# Allegro board RK_TABLET_DEMO1_RK3576_LP4XD200P132SD6_V12_20240530YWQ.brd (continued)
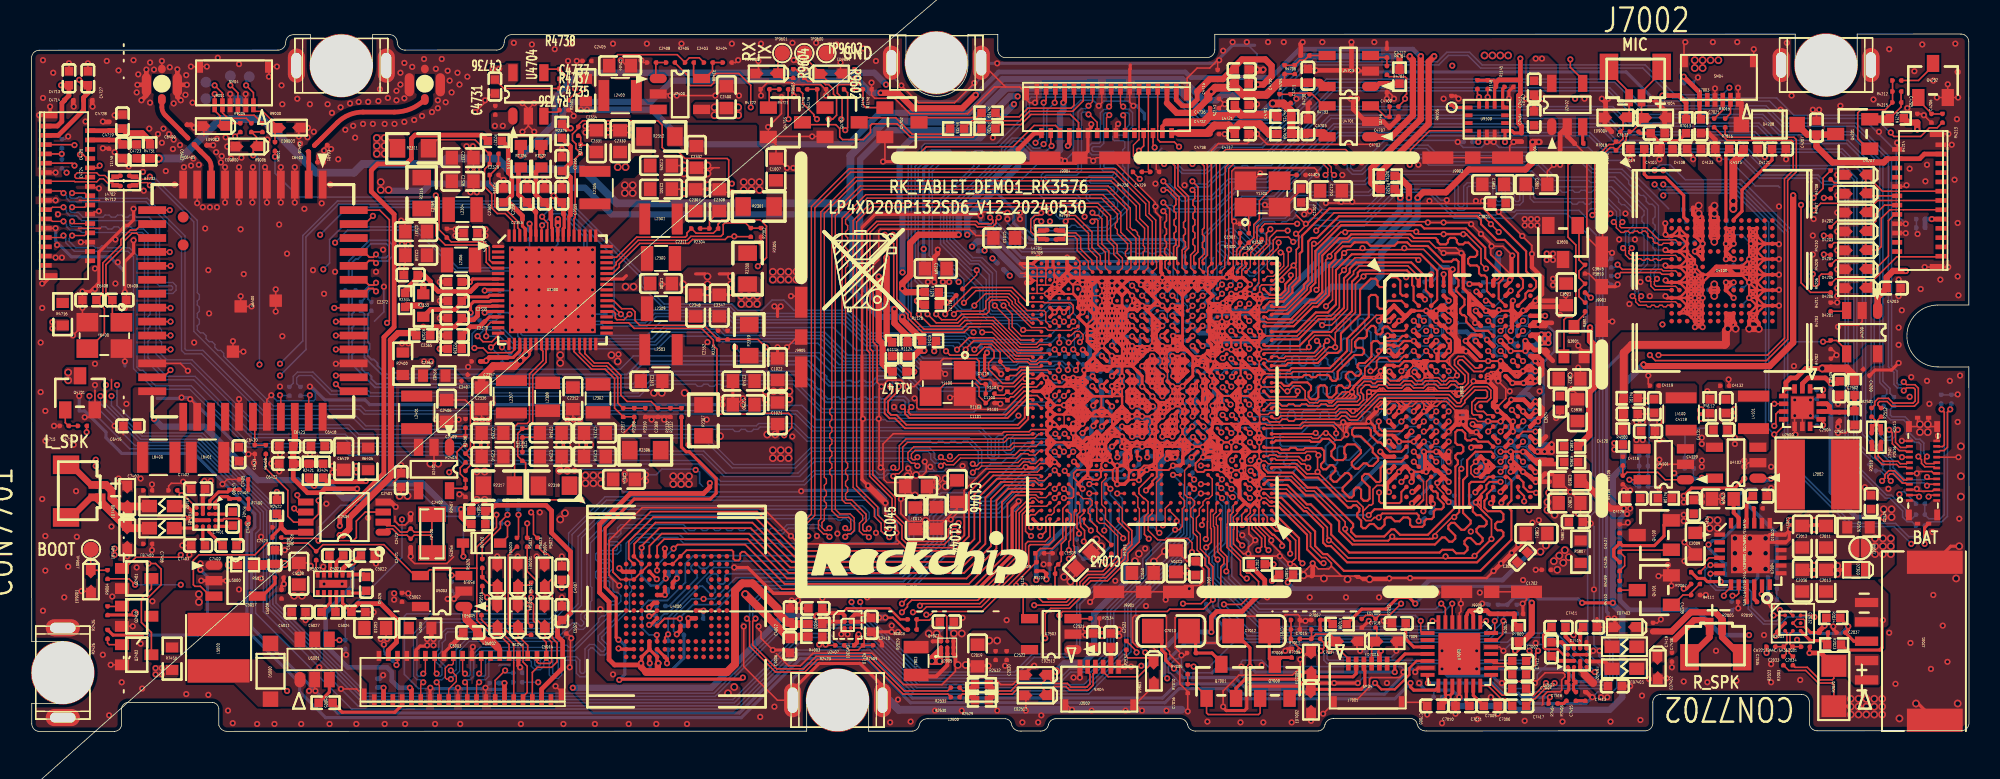
[diagram p0: board, top side]
## Copper pours and planes (outline as drawn; the poured copper is in the pictures) (continued)
AUD_SPK1P on TOP: 6.12,13.94 5.67,14.4 5.67,14.71 5.72,14.76 6.53,14.76 6.68,14.91 6.68,15.62 6.78,15.72 7.29,15.72 7.39,15.62 7.39,15.21 7.65,14.96 8.11,14.96 8.11,14.05 8,13.94
AUD_SPK2N on TOP: 103.15,7.04 103.15,5.05 104.07,5.05 105.29,6.27 105.29,6.37 104.98,6.68 104.12,6.68 103.76,7.04
AUD_SPK2P on TOP: 106.05,6.12 105.34,6.12 104.12,4.9 103.1,4.9 103.1,3.68 104.07,3.68 104.07,3.94 104.57,4.44 105.34,4.44 105.44,4.55 105.44,4.7 105.64,4.9 105.95,4.9 106.2,5.16 106.2,5.97
F_LED+ on TOP: 4.09,30.56 3.18,30.56 2.87,30.25 0.49,30.25 0.49,29.95 1.65,29.95 1.81,29.79 1.81,29.03 1.6,28.83 1.6,27.36 2.37,27.36 2.42,27.41 2.42,28.17 3.23,28.98 3.23,29.64 3.84,30.25 4.09,30.25
F_LED- on TOP: 1.5,30.4 1.35,30.56 0.49,30.56 0.49,30.86 1.55,30.86 1.86,31.17 4.09,31.17 4.09,30.81 3.23,30.81 2.82,30.4
F_LED- on TOP: 3.53,23.55 2.26,23.55 2.11,23.39 2.11,22.58 2.26,22.43 3.53,22.43
F_LED- on L4-SIG: 2.06,30.81 1.45,30.81 1.35,30.71 1.35,27 1.7,26.64 1.7,22.53 1.81,22.43 3.03,22.43 3.18,22.58 3.18,26.8 2.82,27.15 2.82,30.05
LEDA on TOP: 15.88,6.17 14.91,6.17 14.91,4.9 15.78,4.04 18.01,4.04 18.67,4.7 18.67,6.43 18.82,6.58 19.74,6.58 20.65,5.66 20.65,4.24 21.77,3.12 21.77,1.7 21.87,1.6 22.28,1.6 22.28,4.19 22.58,4.5 22.58,5.26 21.82,6.02 21.82,7.14 21.67,7.29 18.27,7.29 17.91,6.93 17.91,5.46 17.76,5.31 16.74,5.31
LEDK on TOP: 23.65,3.89 23.65,1.55 24.06,1.55 24.06,3.07 24.51,3.53 24.51,5.41 24.67,5.56 24.67,7.09 24.01,7.09 24.01,6.27 23.9,6.17 23.9,4.14
PMIC1_SW1 on TOP: 36.71,31.47 36.91,31.47 38.69,33.25 38.69,33.65 39.14,34.11 39.91,34.11 39.91,32.13 38.99,32.13 37.72,30.86 36.71,30.86 36.71,31.09 37.49,31.09 37.49,31.22 36.71,31.22
PMIC1_SW2 on TOP: 36.71,26.19 38.43,26.19 38.79,25.83 39.8,25.83 39.91,25.73 39.91,23.65 39.2,23.65 37.21,25.63 36.71,25.63 36.71,25.83 37.52,25.83 37.52,25.98 36.71,25.98
PMIC1_SW3 on TOP: 35.23,33.07 35.23,31.62 35.44,31.62 35.44,32.51 36.53,33.6 37.21,33.6 37.37,33.76 37.37,34.42 35.39,34.42 35.28,34.31 35.28,33.12
PMIC1_SW4 on TOP: 32.44,25.42 32.44,24.31 31.17,23.04 30.05,23.04 30,22.99 30,22.3 31.98,22.3 31.98,23.19 32.82,24.03 32.82,24.33 32.67,24.49 32.67,25.42
PMIC1_SW5 on TOP: 36.71,29.34 37.62,29.34 38.13,29.84 38.13,30.1 39.4,31.37 40.11,31.37 40.11,29.74 40.01,29.64 39.25,29.64 38.74,29.13 36.71,29.13
PMIC1_SW7 on TOP: 36.71,28.27 39.96,28.27 40.11,28.12 40.11,26.49 39.3,26.49 39.3,27 38.79,27.51 38.18,27.51 37.62,28.07 36.71,28.07
PMIC1_SW8 on TOP: 30.51,29.69 29.7,29.69 29.14,30.25 29.14,31.06 28.98,31.22 28.22,31.22 28.22,29.59 28.32,29.49 30.31,29.49
PMIC1_SW9 on TOP: 28.32,34.47 28.32,32.89 28.43,32.79 29.44,32.79 30.61,31.62 30.91,31.62 30.91,32.38 30.81,32.49 30.81,32.89 30.46,33.25 29.95,33.25 29.14,34.06 29.14,34.47
PMIC1_SW10 on TOP: 33.51,25.42 33.71,25.42 33.71,23.09 34.12,22.68 34.12,22.12 32.54,22.12 32.54,22.91 33.38,23.75 33.38,24.38 33.51,24.51
PMIC_SW6 on TOP: 34.57,25.42 34.57,24.05 35.74,22.88 35.74,22.02 37.37,22.02 37.37,22.73 36.91,23.19 36.1,23.19 34.78,24.51 34.78,25.42
SARADC_AVDD1V8 on L4-SIG: 69.9,19.81 70.28,19.81 70.79,19.3 70.79,17.78 70.54,17.53 70.03,17.53 69.9,17.65 69.9,19.18 69.78,19.3 69.78,19.68
UFS_AVDD0V85 on BOTTOM: 78.92,26.95 80.04,26.95 80.29,26.69 80.29,26.64 79.84,26.19 79.58,26.19 78.92,26.85
USB2_OTG_DVDD0V75 on L4-SIG: 72.95,26.54 72.55,26.95 72.55,30.17 73.33,30.17 73.59,29.92 73.59,26.97 73.18,26.57 73.1,26.57 73.08,26.54
N18483700 on TOP: 11.61,21.26 11.31,21.26 11.31,19.53 11.05,19.28 10.29,19.28 9.83,18.82 9.83,16.79 9.93,16.69 10.7,16.69 10.7,18.67 10.8,18.77 11.56,18.77 11.86,19.07 11.86,21.01
N18483702 on TOP: 12.02,16.69 12.02,18.87 12.22,19.07 12.22,21.21 12.78,21.21 12.78,19.13 13.03,18.87 13.49,18.87 13.64,18.72 13.64,18.06 12.93,18.06 12.78,17.91 12.78,16.69
N18483810 on TOP: 8.87,16.69 8.87,20.7 9.38,21.21 10.04,21.21 10.04,19.28 9.63,18.87 9.63,16.69
N18483812 on TOP: 8.72,22.22 6.63,22.22 6.53,22.12 6.53,16.79 6.63,16.69 7.55,16.69 7.6,16.74 7.6,20.6 8.72,21.72
N25926738 on TOP: 25.78,19.89 23.85,19.89 23.85,18.52 24.56,17.8 25.28,17.8 25.28,18.82 25.63,19.18 25.83,19.18 25.83,19.84
N28185504 on TOP: 38.69,42.09 38.69,39.95 38.79,39.85 41.02,39.85 41.02,40.51 39.75,40.51 39.4,40.87 39.4,42.09
N29797202 on TOP: 105.44,19.79 105.44,19.07 106.15,18.36 106.15,17.96 107.27,17.96 107.42,18.11 107.42,19.74 107.37,19.79
N29797204 on TOP: 104.83,22.48 107.32,22.48 107.47,22.33 107.47,21.21 107.42,21.16 103.41,21.16 103.3,21.26 103.3,21.92 103.41,22.02 104.73,22.02 104.78,22.07 104.78,22.43
N29797482 on TOP: 110.11,19.89 110.11,19.53 110.82,18.82 110.82,18.11 110.87,18.06 111.94,18.06 112.09,18.21 112.09,19.84 112.04,19.89
N31040050 on TOP: 111.48,14.66 111.48,13.08 112.6,13.08 113.11,13.59 113.11,13.74 113.36,13.99 114.18,13.99 114.43,14.25 114.43,18.82 112.6,18.82 112.6,15.01 112.4,14.81 111.64,14.81
N31344410 on TOP: 9.48,13.54 8.72,13.54 8.72,12.72 10.49,12.72 10.8,13.03 10.8,13.18 10.75,13.23 9.78,13.23
N31344418 on TOP: 10.09,14.05 9.99,14.15 8.77,14.15 8.77,14.86 8.82,14.91 9.83,14.91 10.39,14.35 10.39,14.25 10.54,14.1 10.54,14.05
N31367014 on TOP: 100.21,5.66 100.21,6.02 100.36,6.17 102.19,6.17 102.49,5.87 102.49,5.05 101.53,5.05 101.53,5.46 101.43,5.56 100.51,5.56 100.41,5.46
N31367026 on TOP: 100.61,4.6 101.32,4.6 101.37,4.65 102.34,4.65 102.44,4.55 102.44,3.68 101.53,3.68 101.53,3.78 101.07,4.24 100.66,4.24 100.46,4.44
N31696531 on TOP: 10.09,4.65 14.91,4.65 15.78,3.78 17.61,3.78 17.71,3.68 17.71,2.87 17.55,2.72 17.55,1.7 17.45,1.6 14.61,1.6 13.08,3.12 10.09,3.12
N31761528 on TOP: 59.16,4.85 59.16,4.8 59.36,4.6 59.36,3.94 58.65,3.23 56.57,3.23 56.31,3.48 56.31,4.04 58.75,4.04 58.85,4.14 58.91,4.14 59.01,4.24 59.01,4.85
GND on L4-SIG (solid shape): 19.44,21.98 19.55,22 19.61,21.91 19.61,15.79 19.55,15.69 19.44,15.72 19.26,15.9 19.26,21.8
GND on L4-SIG (solid shape): 21.95,13.92 21.95,13.45 21.89,13.36 21.77,13.38 20.8,14.35 20.78,14.47 20.87,14.53 21.34,14.53
GND on L4-SIG (solid shape): 37.85,26.21 37.94,26.15 37.92,26.04 37.64,25.76 30.89,25.76 30.61,26.04 30.59,26.15 30.68,26.21
GND on L4-SIG (solid shape): 51.63,15.75 51.72,15.68 51.7,15.57 51.47,15.34 49.11,15.34 49.01,15.4 49.03,15.51 49.27,15.75
GND on L4-SIG (solid shape): 27.51,11.48 27.59,11.44 27.61,11.36 27.6,11.3 27.61,11.25 27.59,11.16 27.51,11.12 23.42,11.12 23.24,11.31 23.22,11.42 23.31,11.48
GND on L4-SIG (solid shape): 34.61,11.48 34.7,11.42 34.68,11.31 34.5,11.12 28.23,11.12 28.15,11.16 28.13,11.25 28.13,11.3 28.13,11.36 28.15,11.44 28.23,11.48
GND on L4-SIG (solid shape): 117.13,26.96 117.24,26.98 117.3,26.89 117.3,26.62 115.98,25.3 115.9,25.27 115.82,25.32 115.78,25.36 115.74,25.4 115.69,25.47 115.72,25.55
GND on L4-SIG (solid shape): 74.86,4.57 74.89,4.49 74.84,4.42 74.79,4.37 74.75,4.31 74.67,4.25 74.58,4.28 73.71,5.16 73.68,5.27 73.78,5.33 74.1,5.33
GND on L4-SIG (solid shape): 95.38,5.38 95.46,5.35 95.48,5.26 95.47,5.19 95.49,5.11 95.47,5.02 95.39,4.98 89.05,4.98 88.82,5.21 88.8,5.32 88.89,5.38
GND on L4-SIG (solid shape): 66.17,11.25 66.28,11.27 66.35,11.17 66.35,10.82 66.41,10.76 66.43,10.65 66.33,10.59 65.02,10.59 64.82,10.8 64.79,10.91 64.89,10.97 65.9,10.97
GND on L4-SIG (solid shape): 55.13,9.85 55.23,9.79 55.2,9.68 53.95,8.42 53.85,8.4 53.78,8.46 53.66,8.62 53.47,8.68 53.45,8.68 52.45,9.68 52.43,9.79 52.52,9.85
GND on L4-SIG (solid shape): 111.54,15.68 111.65,15.7 111.71,15.61 111.71,15.54 111,14.83 110.9,14.8 110.83,14.87 110.51,15.07 110.31,14.75 110.29,14.67 110.21,14.63 106.97,14.63 106.89,14.67 106.87,14.75 106.86,14.87 106.81,14.98 106.8,15.01 106.81,15.04 106.86,15.15 106.87,15.27 106.89,15.35 106.97,15.39 111.25,15.39

Small or netless copper shapes (teardrops, artwork), in the pictures only: 4 on L4-SIG, 1 on TOP, 1 on BOTTOM

## Text on the board
Ref Des/Silkscreen Top: BOOT | L_SPK | LP4XD200P132SD6_V12_20240530 | GND | RK_TABLET_DEMO1_RK3576 | MIC | R_SPK | BAT | RX | TX | + | -
User.11: P:= 1 1 1 1 | E:=0.5 0 0 2.54 0 1
User.17: FIGURE | SIZE | 7.874 | 11.811 | 157.48 | 64.961x25.591 | DRILL CHART: TOP to BOTTOM | ALL UNITS ARE IN MILS | TOLERANCE | +3.0/-3.0 | +0.0/-0.0 | +4.0/-4.0 | PLATED | NON-PLATED | QTY | 2080 | 241 | 5 | 8 | 2
